# Altium PCB PROC010B_ASCII.PcbDoc (part 2 of 6)
Units mil, origin at the board's own origin, x right, y up, seen from the top; angles counter-clockwise.
Board outline 3180 x 2565 mil, 6 copper layers (TOP, L2, L3, L4, L5, BOTTOM), stack 55.54 mil thick; 362 components, 264 nets, 1248 pads, 1144 vias.
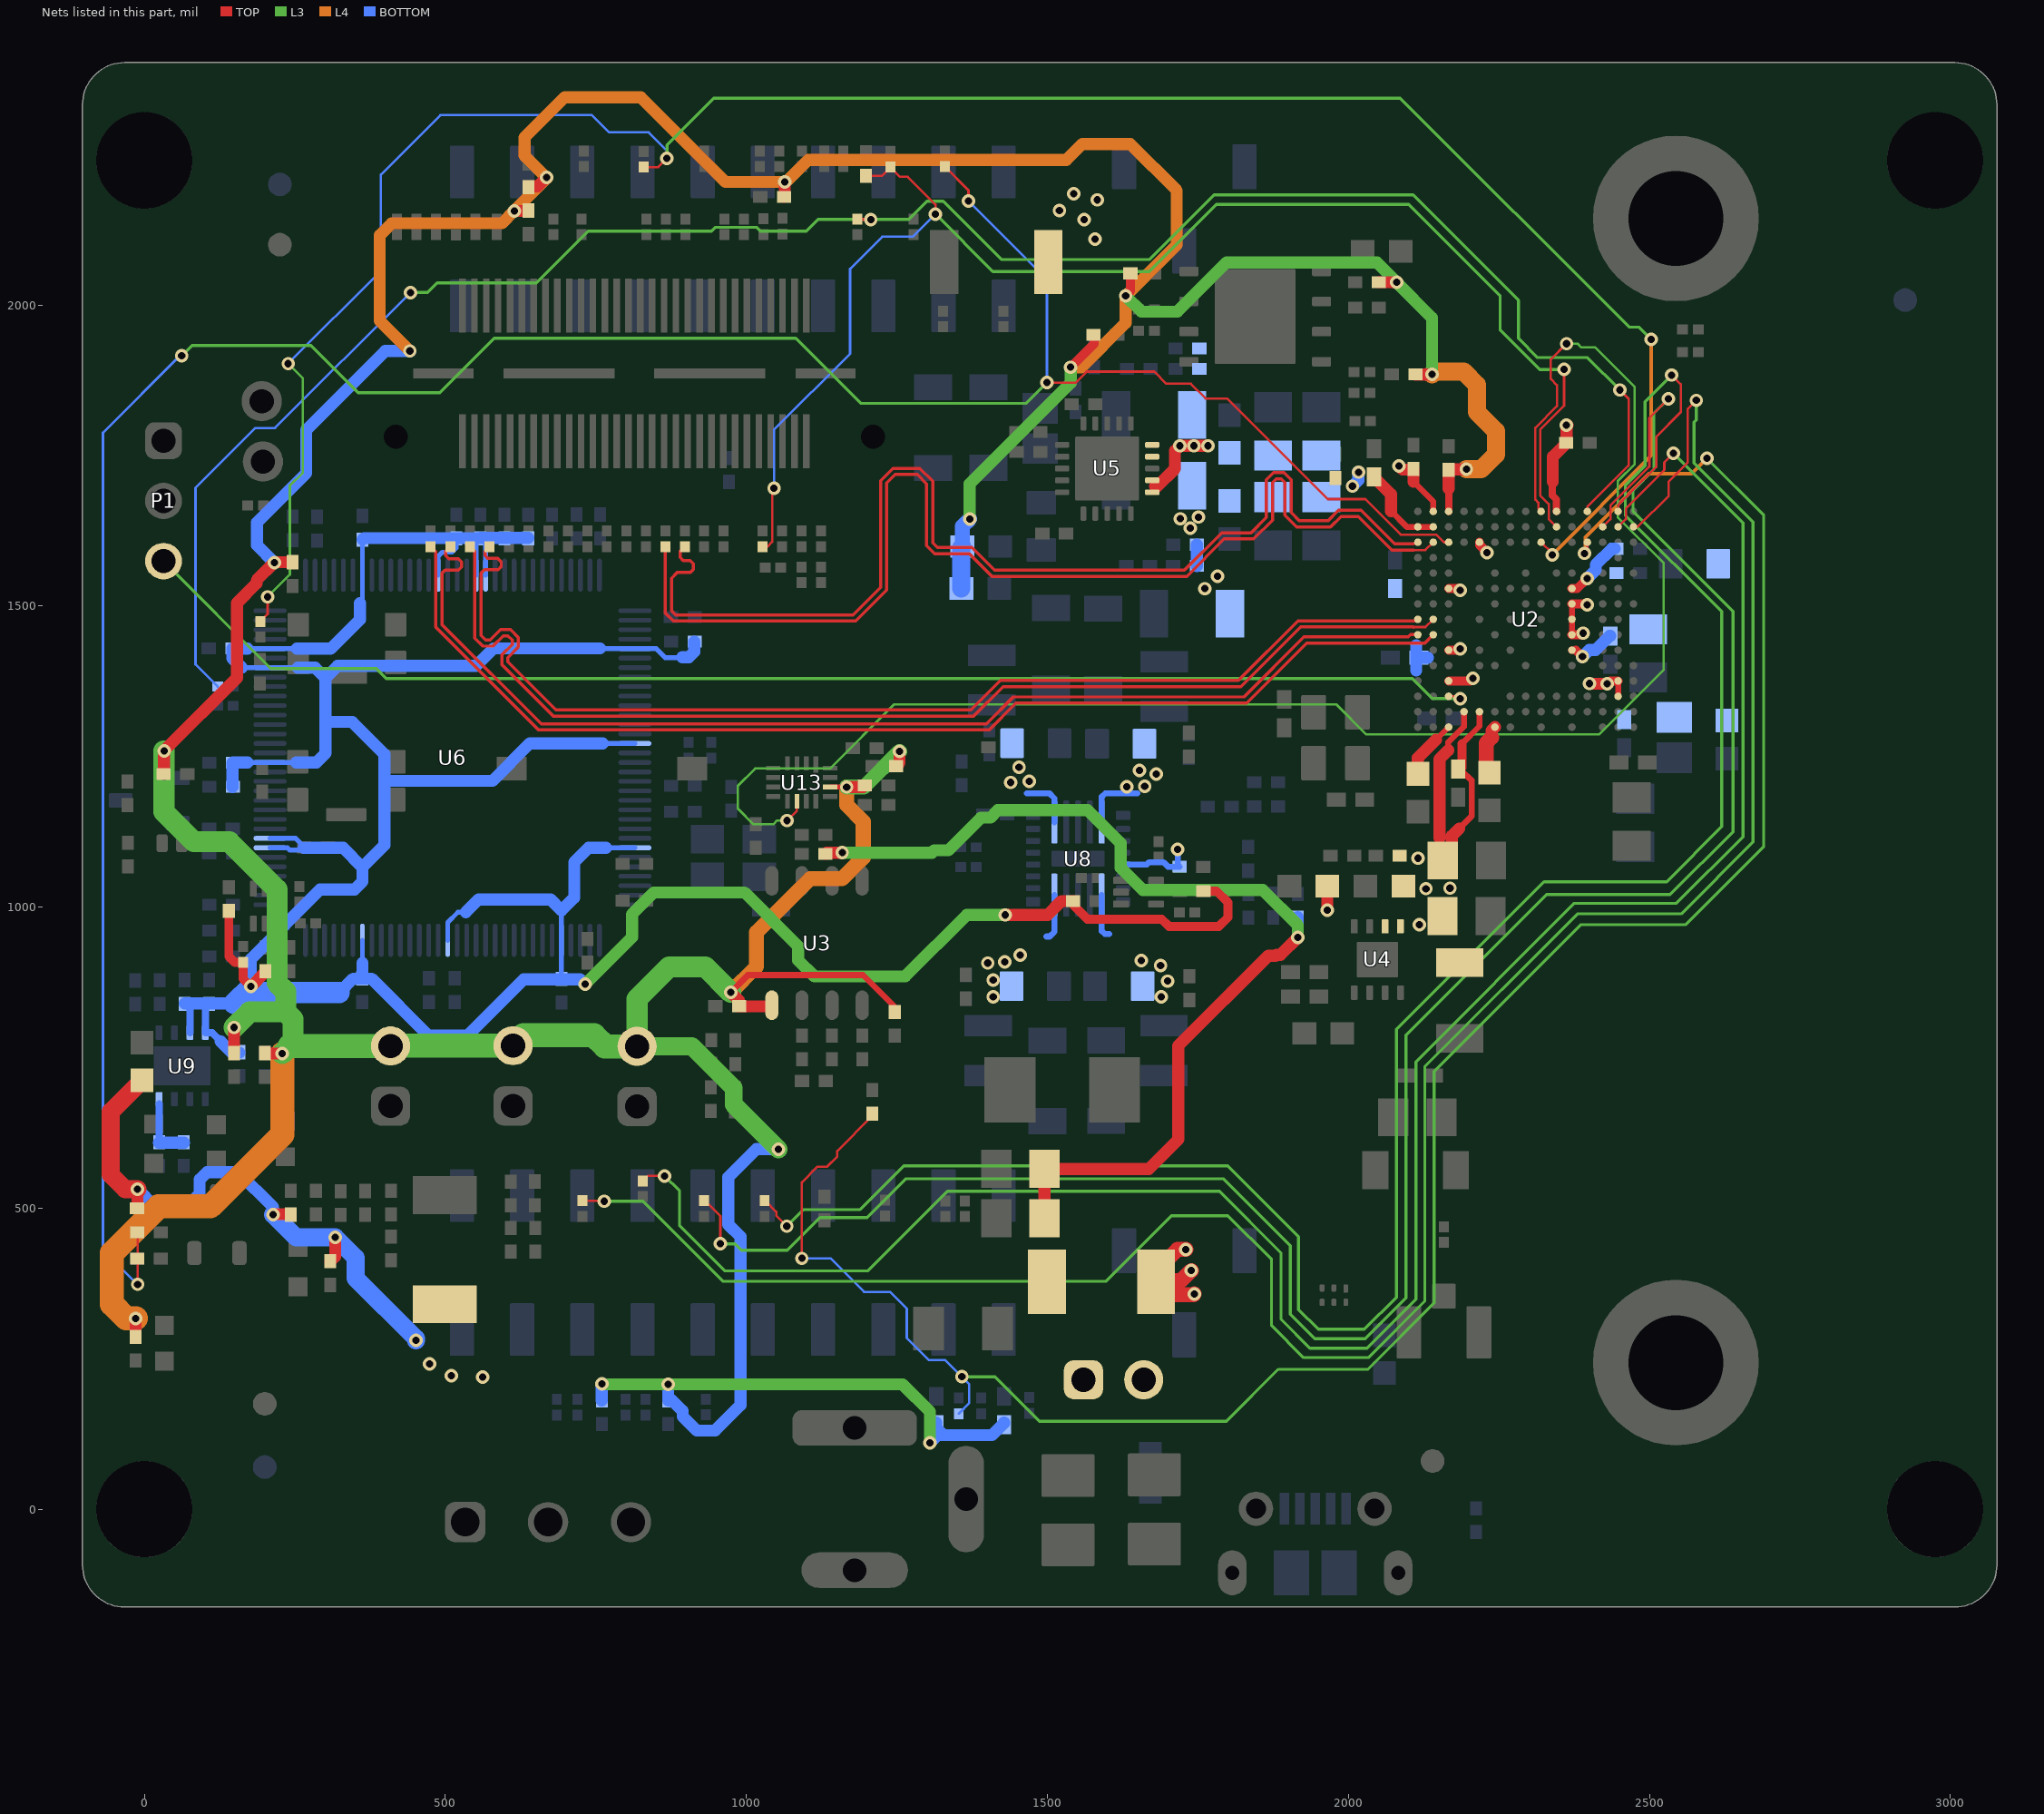
[diagram p6: the nets of this part, all layers, seen from the top]

## Footprints (in the part's own frame and the unit in brackets; to place one, negate y for a bottom-side part, rotate by r counter-clockwise, add the part's x,y. Pads: shape width x height; smd on the part's side, far side on the other; paste and mask are expansions set on the pad) (continued)
ABL0161A [mm] "BGA, 161-Balls, Body 10.4x10.4mm, Pitch 0.65mm"
  round 0.32 smd mask+0: A1(-4.55,4.55) A2(-3.9,4.55) A3(-3.25,4.55) A5(-1.95,4.55) A7(-0.65,4.55) A9(0.65,4.55) A10(1.3,4.55) A13(3.25,4.55) A14(3.9,4.55) A15(4.55,4.55) B1(-4.55,3.9) B2(-3.9,3.9) B3(-3.25,3.9) B4(-2.6,3.9) B5(-1.95,3.9) B6(-1.3,3.9) B7(-0.65,3.9) B8(0,3.9) B9(0.65,3.9) B10(1.3,3.9) B11(1.95,3.9) B12(2.6,3.9) B13(3.25,3.9) B14(3.9,3.9) B15(4.55,3.9) C1(-4.55,3.25) C2(-3.9,3.25) C3(-3.25,3.25) C4(-2.6,3.25) C5(-1.95,3.25) C6(-1.3,3.25) C7(-0.65,3.25) C8(0,3.25) C9(0.65,3.25) C13(3.25,3.25) C14(3.9,3.25) C15(4.55,3.25) D1(-4.55,2.6) D2(-3.9,2.6) D13(3.25,2.6) D15(4.55,2.6) E1(-4.55,1.95) E2(-3.9,1.95) E3(-3.25,1.95) E5(-1.95,1.95) E6(-1.3,1.95) E8(0,1.95) E10(1.3,1.95) E11(1.95,1.95) E13(3.25,1.95) E14(3.9,1.95) E15(4.55,1.95) F2(-3.9,1.3) F3(-3.25,1.3) F5(-1.95,1.3) F9(0.65,1.3) F11(1.95,1.3) F13(3.25,1.3) F14(3.9,1.3) G1(-4.55,0.65) G2(-3.9,0.65) G3(-3.25,0.65) G5(-1.95,0.65) G6(-1.3,0.65) G7(-0.65,0.65) G8(0,0.65) G10(1.3,0.65) G13(3.25,0.65) G14(3.9,0.65) G15(4.55,0.65) H2(-3.9,0) H3(-3.25,0) H5(-1.95,0) H7(-0.65,0) H9(0.65,0) H11(1.95,0) H13(3.25,0) H14(3.9,0) H15(4.55,0) J1(-4.55,-0.65) J2(-3.9,-0.65) J3(-3.25,-0.65) J5(-1.95,-0.65) J6(-1.3,-0.65) J7(-0.65,-0.65) J8(0,-0.65) J10(1.3,-0.65) J13(3.25,-0.65) J14(3.9,-0.65) J15(4.55,-0.65) K2(-3.9,-1.3) K3(-3.25,-1.3) K5(-1.95,-1.3) K7(-0.65,-1.3) K8(0,-1.3) K9(0.65,-1.3) K10(1.3,-1.3) K11(1.95,-1.3) K13(3.25,-1.3) K14(3.9,-1.3) K15(4.55,-1.3) L1(-4.55,-1.95) L2(-3.9,-1.95) L3(-3.25,-1.95) L5(-1.95,-1.95) L6(-1.3,-1.95) L8(0,-1.95) L10(1.3,-1.95) L13(3.25,-1.95) L14(3.9,-1.95) L15(4.55,-1.95) M2(-3.9,-2.6) M3(-3.25,-2.6) M13(3.25,-2.6) M14(3.9,-2.6) M15(4.55,-2.6) N1(-4.55,-3.25) N2(-3.9,-3.25) N3(-3.25,-3.25) N4(-2.6,-3.25) N5(-1.95,-3.25) N6(-1.3,-3.25) N7(-0.65,-3.25) N8(0,-3.25) N9(0.65,-3.25) N10(1.3,-3.25) N11(1.95,-3.25) N12(2.6,-3.25) N13(3.25,-3.25) N14(3.9,-3.25) N15(4.55,-3.25) P1(-4.55,-3.9) P2(-3.9,-3.9) P3(-3.25,-3.9) P4(-2.6,-3.9) P5(-1.95,-3.9) P6(-1.3,-3.9) P7(-0.65,-3.9) P8(0,-3.9) P9(0.65,-3.9) P10(1.3,-3.9) P11(1.95,-3.9) P12(2.6,-3.9) P13(3.25,-3.9) P14(3.9,-3.9) P15(4.55,-3.9) R1(-4.55,-4.55) R2(-3.9,-4.55) R3(-3.25,-4.55) R4(-2.6,-4.55) R5(-1.95,-4.55) R6(-1.3,-4.55) R7(-0.65,-4.55) R8(0,-4.55) R9(0.65,-4.55) R10(1.3,-4.55) R11(1.95,-4.55) R12(2.6,-4.55) R13(3.25,-4.55) R14(3.9,-4.55) R15(4.55,-4.55)
  silkscreen extent -5.3,-5.3 5.3,5.3
AssemblyNote [mil] "Assembly Note"
AssemblyNoteLabel [mil] "Assembly Note for PCB Labels"
CE_Mark_5mm [mil] "Minimum text height for CE Mark"
CONN_105017-0001 [mm] "Molex Micro USB-B"
  rect 0.4x1.35 smd: 1(-1.3,1.35) 2(-0.65,1.35) 3(0,1.35) 4(0.65,1.35) 5(1.3,1.35)
  oval 1.2x1.9 hole 0.6 slot 1.3 at 90 deg: 6(-3.5,-1.35) 9(3.5,-1.35)
  rect 1.5x1.9 smd: 7(-1,-1.35) 8(1,-1.35)
  round 1.45 hole 0.85: 10(2.5,1.35) 11(-2.5,1.35)
  TOP region: 3.5,-2.3 2.3,-2.3 2.3,-0.4 3.5,-0.4
  TOP region: -3.5,-0.4 -2.3,-0.4 -2.3,-2.3 -3.5,-2.3
  silkscreen extent -4.1,-0.2 4.1,1.4
CUI_PJ-002AH [mm] "DC POWER JACK, R/A, TH"
  rrect50% 1.5x5.25 hole 1 slot 3.5 at 90 deg: 1(-3,0)
  oval 1.5x4.5 hole 1 slot 3 at 90 deg: 2(3,0)
  oval 4.5x1.5 hole 1 slot 3 at 0 deg: 3(0,4.7)
  silkscreen extent -4.1,-4.5 10.7,4.5
D0008A_L [mm] "SOIC, 8-Leads, Body 4.9x3.9mm, Pitch 1.27mm, IPC High Density"
  oval 1.25x0.55 smd: 1(-2.625,1.905) 2(-2.625,0.635) 3(-2.625,-0.635) 4(-2.625,-1.905) 5(2.625,-1.905) 6(2.625,-0.635) 7(2.625,0.635) 8(2.625,1.905)
  silkscreen extent -3.1,-2.5 0.9,2.5
DBZ0003A_N [mm] "SOT23, 3-Leads, Body 2.9x1.3mm, Pitch 0.95mm, Lead Span 2.4mm, IPC Medium Density"
  rrect17% 1x0.6 smd: 1(-1.2,0.95) 2(-1.2,-0.95) 3(1.2,0)
  silkscreen extent 0.2,-1.5 0.7,1.5
DFE252012P [mm] "TOKO, Pad sizes increased as per request"
  rect 0.9x2 smd: 1(-1.05,0) 2(1.05,0)
  silkscreen extent -0.3,-1.2 0.3,1.2
DRB0008A [mm] "SON, 8-Leads, Body 3x3mm, Pitch 0.65mm, Thermal Pad 1.75x1.5mm, TI Recommended"
  rrect33% 0.6x0.3 smd: 1(-1.4,0.975) 2(-1.4,0.325) 3(-1.4,-0.325) 4(-1.4,-0.975) 5(1.4,-0.975) 6(1.4,-0.325) 7(1.4,0.325) 8(1.4,0.975)
  rrect7% 1.5x1.75 smd paste-0.75: 9(0,0)
  silkscreen extent -1.73,-1.73 1.73,1.73
DRB0008B [mm] "SON, 8-Leads, Body 3x3mm, Pitch 0.65mm, Thermal Pad 2.4x1.65mm, TI Recommended"
  rrect33% 0.6x0.3 smd: 1(-1.4,0.975) 2(-1.4,0.325) 3(-1.4,-0.325) 4(-1.4,-0.975) 5(1.4,-0.975) 6(1.4,-0.325) 7(1.4,0.325) 8(1.4,0.975)
  rrect9% 1.47x1.06 on Bottom Paste: 9(0,-0.63) 9(0,0.63)
  rrect6% 1.65x2.4 smd paste-1.2: 9(0,0)
  silkscreen extent -1.73,-1.73 1.73,1.73
DRL0006A [mm] "SOTFL, 6-Flat Leads, Body 1.2x1.6x0.6mm, Pitch 0.5mm, TI recommended"
  rrect33% 0.67x0.3 smd: 1(-0.74,0.5) 2(-0.74,0) 3(-0.74,-0.5) 4(0.74,-0.5) 5(0.74,0) 6(0.74,0.5)
  silkscreen extent -0.9,-0.95 0.5,0.95
DRY0006A [mm] "PSON, 6-Leads, Body 1x1.45mm, Pitch 0.5mm, TI Recommended"
  rrect50% 0.35x0.2 smd: 1(-0.275,0.5)
  rrect50% 0.3x0.2 smd: 2(-0.3,0) 3(-0.3,-0.5) 4(0.3,-0.5) 5(0.3,0) 6(0.3,0.5)
ESD_Overlay_Small [mil]
  silkscreen extent -62,-48 64,61
FCC_disclaimer [mil]
Fiducial10-20 [mm]
  round 1 smd mask+0: 1(0,0)
  TOP keep-out circle w1.178: c0,0 r0.5
IEC_HotSurface_Small [mil]
  silkscreen extent -107,-93 107,92
Johnson_128-0711-201 [mm] "UMC Straight Jack Receptacle, 50 Ohm, SMT"
  rrect10% 1x1.05 smd: 1(0,1.525)
  rrect10% 1.05x2.2 smd: 2(-1.475,0) 3(1.475,0)
  silkscreen extent -0.6,-1.3 0.6,-1.3
Kyocera_CX3225SA [mm] "SMD, 4-Leads, Body 3.2x2.5mm"
  rrect10% 1.05x1.45 smd: 1(-0.925,1.075) 2(-0.925,-1.075) 3(0.925,-1.075) 4(0.925,1.075)
  silkscreen extent -1.86,1.09 -1.74,1.21
Label_650x200 [mil] "Thermal Transfer Label"
  round 1 on Mech13: 0(0,0)
  silkscreen extent -325,-100 325,100
NDK_NX3225SA [mm] "NDK"
  rect 1.2x1.4 smd: 1(-0.8,1.1) 2(-0.8,-1.1) 3(0.8,-1.1) 4(0.8,1.1)
NLCV32 [mm] "TDK"
  rect 1.2x2 smd: 1(-1.6,0) 2(1.6,0)
  silkscreen extent -0.9,-1.4 0.9,1.4
On-Shore_OSTTE030161 [mm] "Terminal Block, 3.5mm, 3x1, TH"
  rrect50% 1.7x1.7 hole 1.2: 1(-3.5,0)
  round 1.7 hole 1.2: 2(0,0) 3(3.5,0)
  silkscreen extent -5.25,-3.6 5.25,4.05
PDT0128A [mm] "Thin QFP, 128-Leads, Body 14x14mm, Pitch 0.4mm"
  oval 1.4x0.2 smd: 1(-7.7,6.2) 2(-7.7,5.8) 3(-7.7,5.4) 4(-7.7,5) 5(-7.7,4.6) 6(-7.7,4.2) 7(-7.7,3.8) 8(-7.7,3.4) 9(-7.7,3) 10(-7.7,2.6) 11(-7.7,2.2) 12(-7.7,1.8) 13(-7.7,1.4) 14(-7.7,1) 15(-7.7,0.6) 16(-7.7,0.2) 17(-7.7,-0.2) 18(-7.7,-0.6) 19(-7.7,-1) 20(-7.7,-1.4) 21(-7.7,-1.8) 22(-7.7,-2.2) 23(-7.7,-2.6) 24(-7.7,-3) 25(-7.7,-3.4) 26(-7.7,-3.8) 27(-7.7,-4.2) 28(-7.7,-4.6) 29(-7.7,-5) 30(-7.7,-5.4) 31(-7.7,-5.8) 32(-7.7,-6.2) 65(7.7,-6.2) 66(7.7,-5.8) 67(7.7,-5.4) 68(7.7,-5) 69(7.7,-4.6) 70(7.7,-4.2) 71(7.7,-3.8) 72(7.7,-3.4) 73(7.7,-3) 74(7.7,-2.6) 75(7.7,-2.2) 76(7.7,-1.8) 77(7.7,-1.4) 78(7.7,-1) 79(7.7,-0.6) 80(7.7,-0.2) 81(7.7,0.2) 82(7.7,0.6) 83(7.7,1) 84(7.7,1.4) 85(7.7,1.8) 86(7.7,2.2) 87(7.7,2.6) 88(7.7,3) 89(7.7,3.4) 90(7.7,3.8) 91(7.7,4.2) 92(7.7,4.6) 93(7.7,5) 94(7.7,5.4) 95(7.7,5.8) 96(7.7,6.2)
  oval 0.2x1.4 smd: 33(-6.2,-7.7) 34(-5.8,-7.7) 35(-5.4,-7.7) 36(-5,-7.7) 37(-4.6,-7.7) 38(-4.2,-7.7) 39(-3.8,-7.7) 40(-3.4,-7.7) 41(-3,-7.7) 42(-2.6,-7.7) 43(-2.2,-7.7) 44(-1.8,-7.7) 45(-1.4,-7.7) 46(-1,-7.7) 47(-0.6,-7.7) 48(-0.2,-7.7) 49(0.2,-7.7) 50(0.6,-7.7) 51(1,-7.7) 52(1.4,-7.7) 53(1.8,-7.7) 54(2.2,-7.7) 55(2.6,-7.7) 56(3,-7.7) 57(3.4,-7.7) 58(3.8,-7.7) 59(4.2,-7.7) 60(4.6,-7.7) 61(5,-7.7) 62(5.4,-7.7) 63(5.8,-7.7) 64(6.2,-7.7) 97(6.2,7.7) 98(5.8,7.7) 99(5.4,7.7) 100(5,7.7) 101(4.6,7.7) 102(4.2,7.7) 103(3.8,7.7) 104(3.4,7.7) 105(3,7.7) 106(2.6,7.7) 107(2.2,7.7) 108(1.8,7.7) 109(1.4,7.7) 110(1,7.7) 111(0.6,7.7) 112(0.2,7.7) 113(-0.2,7.7) 114(-0.6,7.7) 115(-1,7.7) 116(-1.4,7.7) 117(-1.8,7.7) 118(-2.2,7.7) 119(-2.6,7.7) 120(-3,7.7) 121(-3.4,7.7) 122(-3.8,7.7) 123(-4.2,7.7) 124(-4.6,7.7) 125(-5,7.7) 126(-5.4,7.7) 127(-5.8,7.7) 128(-6.2,7.7)
  silkscreen extent -7.7,-6.3 6.3,6.99
RNF0026C [mm] "QFN, 26-Leads, Body 4x4.5mm, Pitch 0.5mm"
  rrect25% 0.6x0.4 smd paste-0.3: 1(-1.9,1.825) 8(-1.9,-1.825) 14(1.9,-1.825) 21(1.9,1.825)
  rrect40% 0.6x0.25 smd paste+0: 2(-1.9,1.25) 3(-1.9,0.75) 4(-1.9,0.25) 5(-1.9,-0.25) 6(-1.9,-0.75) 7(-1.9,-1.25) 15(1.9,-1.25) 16(1.9,-0.75) 17(1.9,-0.25) 18(1.9,0.25) 19(1.9,0.75) 20(1.9,1.25)
  rrect40% 0.25x1.82 smd paste-1: 9(-1,-1.54) 10(-0.5,-1.54) 11(0,-1.54) 12(0.5,-1.54) 13(1,-1.54) 22(1,1.54) 23(0.5,1.54) 24(0,1.54) 25(-0.5,1.54) 26(-1,1.54)
  rrect15% 2.24x0.66 smd paste-1: 27(0,0)
  rrect33% 0.6x0.3 on Bottom Paste: ""(-1.9,-1.775) ""(-1.9,1.775) ""(1.9,-1.775) ""(1.9,1.775)
  rrect33% 0.3x0.825 on Bottom Paste: ""(-1.575,-2.037) ""(-1.575,2.037) ""(1.575,-2.037) ""(1.575,2.037)
  rrect40% 0.25x0.81 on Bottom Paste: ""(-1,-2.045) ""(-1,-1.035) ""(-1,1.035) ""(-1,2.045) ""(-0.5,-2.045) ""(-0.5,-1.035) ""(-0.5,1.035) ""(-0.5,2.045) ""(0,-2.045) ""(0,-1.035) ""(0,1.035) ""(0,2.045) ""(0.5,-2.045) ""(0.5,-1.035) ""(0.5,1.035) ""(0.5,2.045) ""(1,-2.045) ""(1,-1.035) ""(1,1.035) ""(1,2.045)
  rrect15% 0.98x0.66 on Bottom Paste: ""(-0.59,0) ""(0.59,0)
  silkscreen extent -2.45,-2.7 2.45,2.7
RSV0016A [mm] "QFN, 16-Leads, Body 1.8x2.6mm, Pitch 0.4mm, TI Recommended"
  rect 0.7x0.2 smd: 1(-0.75,0.6)
  rect 0.6x0.2 smd: 2(-0.8,0.2) 3(-0.8,-0.2) 4(-0.8,-0.6) 9(0.8,-0.6) 10(0.8,-0.2) 11(0.8,0.2) 12(0.8,0.6)
  rect 0.2x0.6 smd: 5(-0.6,-1.2) 6(-0.2,-1.2) 7(0.2,-1.2) 8(0.6,-1.2) 13(0.6,1.2) 14(0.2,1.2) 15(-0.2,1.2) 16(-0.6,1.2)
  silkscreen extent -1.08,-1.33 1.08,1.45
RTJ0020D [mm] "QFN, 20-Leads, Body 4x4mm, Pitch 0.5mm, Thermal Pad 2.7x2.7mm, TI Recommended"
  rrect42% 0.6x0.24 smd: 1(-1.9,1) 2(-1.9,0.5) 3(-1.9,0) 4(-1.9,-0.5) 5(-1.9,-1) 11(1.9,-1) 12(1.9,-0.5) 13(1.9,0) 14(1.9,0.5) 15(1.9,1)
  rrect42% 0.24x0.6 smd: 6(-1,-1.9) 7(-0.5,-1.9) 8(0,-1.9) 9(0.5,-1.9) 10(1,-1.9) 16(1,1.9) 17(0.5,1.9) 18(0,1.9) 19(-0.5,1.9) 20(-1,1.9)
  rrect8% 1.19x1.19 on Top Paste: 21(-0.695,-0.695) 21(-0.695,0.695) 21(0.695,-0.695) 21(0.695,0.695)
  rrect4% 2.7x2.7 smd paste-1.4: 21(0,0)
  silkscreen extent -2.22,-2.22 2.23,2.23
Samtec_QSH-030-01-X-D-A [mm] "Receptacle, 0.5 mm, 30x2, TH"
  rect 2.27x0.279 smd: 1(-2.865,7.25) 2(2.865,7.25) 3(-2.865,6.75) 4(2.865,6.75) 5(-2.865,6.25) 6(2.865,6.25) 7(-2.865,5.75) 8(2.865,5.75) 9(-2.865,5.25) 10(2.865,5.25) 11(-2.865,4.75) 12(2.865,4.75) 13(-2.865,4.25) 14(2.865,4.25) 15(-2.865,3.75) 16(2.865,3.75) 17(-2.865,3.25) 18(2.865,3.25) 19(-2.865,2.75) 20(2.865,2.75) 21(-2.865,2.25) 22(2.865,2.25) 23(-2.865,1.75) 24(2.865,1.75) 25(-2.865,1.25) 26(2.865,1.25) 27(-2.865,0.75) 28(2.865,0.75) 29(-2.865,0.25) 30(2.865,0.25) 31(-2.865,-0.25) 32(2.865,-0.25) 33(-2.865,-0.75) 34(2.865,-0.75) 35(-2.865,-1.25) 36(2.865,-1.25) 37(-2.865,-1.75) 38(2.865,-1.75) 39(-2.865,-2.25) 40(2.865,-2.25) 41(-2.865,-2.75) 42(2.865,-2.75) 43(-2.865,-3.25) 44(2.865,-3.25) 45(-2.865,-3.75) 46(2.865,-3.75) 47(-2.865,-4.25) 48(2.865,-4.25) 49(-2.865,-4.75) 50(2.865,-4.75) 51(-2.865,-5.25) 52(2.865,-5.25) 53(-2.865,-5.75) 54(2.865,-5.75) 55(-2.865,-6.25) 56(2.865,-6.25) 57(-2.865,-6.75) 58(2.865,-6.75) 59(-2.865,-7.25) 60(2.865,-7.25)
  round 0 hole 1.02 unplated mask+0: MH1(2.67,10.065) MH2(2.67,-10.065)
  rect 0.43x2.54 smd: MP1(0,8.065) MP4(0,-8.065)
  rect 0.43x4.7 smd: MP2(0,3.175) MP3(0,-3.175)
  silkscreen extent -3.9,-10.66 3.62,10.66
Samtec_SSM-103-x-SV [mm] "Receptacle, 2.54mm, 3x1, SMT"
  rrect10% 1.02x1.905 smd: 1(-2.54,-1.777) 2(0,1.777) 3(2.54,-1.777)
  silkscreen extent -3.81,-2.27 3.81,1.28
Samtec_SSM-110-x-DV [mm] "Receptacle, 2.54mm, 10x2, SMT"
  rrect10% 1.02x2.22 smd: 1(-11.43,2.825) 2(-11.43,-2.825) 3(-8.89,2.825) 4(-8.89,-2.825) 5(-6.35,2.825) 6(-6.35,-2.825) 7(-3.81,2.825) 8(-3.81,-2.825) 9(-1.27,2.825) 10(-1.27,-2.825) 11(1.27,2.825) 12(1.27,-2.825) 13(3.81,2.825) 14(3.81,-2.825) 15(6.35,2.825) 16(6.35,-2.825) 17(8.89,2.825) 18(8.89,-2.825) 19(11.43,2.825) 20(11.43,-2.825)
  silkscreen extent -13.02,-2.54 12.7,2.54
Samtec_TSW-101-17-T-S [mm] "Samtec,CONN HEADER 1POS .100\" SNGL TIN"
  round 1.7 hole 1.02: 1(0,0)
  silkscreen extent -1.27,-1.27 1.27,1.27
Samtec_TSW-103-07-T-S [mm] "Header, 2.54 mm, 3x1, TH"
  rrect50% 1.55x1.55 hole 1.02: 1(-2.54,0)
  round 1.55 hole 1.02: 2(0,0) 3(2.54,0)
SMB [mil] "Molded Diode, 2-Leads, Body 5.4x3.6mm, IPC Medium Density, based on OnSemi component dimensions"
  rect 85x107.99 smd: 1(-87.01,0) 2(87.01,0)
  silkscreen extent -155,-82 125,82
SML-E1_Yellow [mm] "SMD, 2-Leads, Body 1.6x0.8mm"
  rect 0.8x0.8 smd: 1(0.825,0) 2(-0.825,0)
  silkscreen extent -1.8,-0.8 1.3,0.8
SML-LX0603SRW_SuperRed [mm] "Lumex Opto/Components Inc"
  rect 0.8x0.8 smd: 1(-0.75,0) 2(0.75,0)
  silkscreen extent 1.4,-0.53 1.78,0.53
SOD-882 [mm] "Skyworks"
  rrect42% 0.475x0.75 smd: 1(-0.412,0) 2(0.412,0)
  silkscreen extent -1.1,-0.35 -0.87,0.35
SOT-23 [mm] "SOT23, 3-Leads, Body 2.9x1.3mm, Pitch 0.95mm, Lead Span 2.5mm, IPC Medium Density"
  rrect50% 1x0.6 smd: 1(-1.2,0.95) 2(-1.2,-0.95) 3(1.2,0)
  silkscreen extent -1.62,-1.5 0.7,1.5
SW_CHS-01TB [mm] "CHS Recommended footprint"
  rect 1x1.27 smd: 1(0,3.81) 2(0,-3.81)
  silkscreen extent -1.3,-4.05 1.3,4.05
SW_KMR243GLFG [mm] "SMD, 5-Leads, Body 4.2x2.8mm"
  rrect11% 0.9x1 smd: 1(-2.05,0.8) 2(2.05,0.8) 3(-2.05,-0.8) 4(2.05,-0.8)
  rrect18% 1.7x0.55 smd: 5(0,1.425)
  silkscreen extent -3.1,0.7 -2.9,0.9
TI_Stacked_Overlay_Small [mil]
TSW-102-07-G-S [mm] "Samtec 100mil, 1x2, 230 mil above insulator"
  rrect50% 1.65x1.65 hole 1.016: 1(-1.27,0)
  round 1.65 hole 1.016: 2(1.27,0)
WEEE_Minimum [mil] "WEEElie bin"
  silkscreen extent 22,-71 54,74
WSON-8L_6x5MM_EP [mm] "SMD, 8-Leads, Body 6x5mm, Pitch 1.27mm"
  rrect25% 0.8x0.4 smd: 1(-2.8,1.905) 2(-2.8,0.635) 3(-2.8,-0.635) 4(-2.8,-1.905) 5(2.8,-1.905) 6(2.8,-0.635) 7(2.8,0.635) 8(2.8,1.905)
  rrect3% 3.4x4 smd paste-3: 9(0,0)
  rrect7% 1.468x1.698 on Top Paste: ""(-0.834,-0.949) ""(-0.834,0.949) ""(0.834,-0.949) ""(0.834,0.949)
  silkscreen extent -3.2,-2.7 3.2,2.7

## Part data
C1 C13 C14 C33 C36 C91: library part CMP-0007136-5, "CAP, CERM, 1 uF, 16 V, +/- 10%, X7R, AEC-Q200 Grade 1, 0603"
C2 C21: library part CMP-0006325-2, "CAP, CERM, 0.1 uF, 50 V, +/- 10%, X7R, AEC-Q200 Grade 1, 0402"
C3 C5 C7 C10 C12 C39 C47 C48 C51 C53 C56 C57 C68: library part CMP-0078265-1, "CAP, CERM, 0.22 µF, 16 V,+/- 10%, X7R, AEC-Q200 Grade 1, 0402"
C4 C6 C11: library part CMP-0006351-2, "CAP, CERM, 0.1 uF, 16 V, +/- 10%, X7R, 0402"
C8: library part CMP-0078219-1, "CAP, CERM, 0.1 µF, 10 V,+/- 10%, X7S, 0201"
C9 C15: library part CMP-0006367-2, "CAP, CERM, 4.7 pF, 50 V, +/- 2%, C0G/NP0, 0402"
C16 C20 C42 C43 C49 C64 C67 C71 C75 C76 C79 C84 C85 C90: library part CMP-0078241-1, "CAP, CERM, 0.1 µF, 10 V,+/- 10%, X7R, 0402"
C17 C19 C23 C32 C34 C35 C37 C38 C40 C45 C52 C58 C59 C60 C65 C72 C73 C83: library part CMP-0008017-2, "CAP, CERM, 10 uF, 10 V, +/- 10%, X7R, 0805"
C18 C22: library part CMP-0007138-4, "CAP, CERM, 0.47 uF, 16 V, +/- 10%, X7R, AEC-Q200 Grade 1, 0603"
C24: library part CMP-0078221-1, "CAP, CERM, 4700 pF, 50 V,+/- 10%, X7R, 0402"
C25 C30 C31: library part CMP-0008770-2, "CAP, CERM, 22 uF, 6.3 V, +/- 10%, X7R, AEC-Q200 Grade 1, 1206"
C26 C27: library part CMP-0078216-1, "CAP, TA, 47 µF, 10 V, +/- 10%, SMD"
C28 C29 C44 C46: library part CMP-0078224-1, "CAP, CERM, 0.01 µF, 50 V,+/- 10%, X8R, AEC-Q200 Grade 0, 0402"
C41 C61 C62: library part CMP-0078222-1, "CAP, CERM, 1 µF, 6.3 V,+/- 20%, X7S, 0402"
C50: library part CMP-0078220-1, "CAP, CERM, 0.01 µF, 25 V,+/- 10%, X7R, 0402"
C54 C55 C81 C82: library part CMP-0008811-2, "CAP, CERM, 22 uF, 10 V, +/- 10%, X7R, AEC-Q200 Grade 1, 1206"
C63 C70: library part CMP-0006494-2, "CAP, CERM, 8 pF, 50 V, +/- 6%, C0G/NP0, 0402"
C66 C69: library part CMP-0078218-1, "CAP, CERM, 0.01 µF, 16 V,+/- 10%, X7R, 0402"
C74 C77 C80: library part CMP-0006302-2, "CAP, CERM, 2.2 uF, 10 V, +/- 10%, X7S, 0402"
C78: library part CMP-0078217-1, "CAP, CERM, 15 pF, 50 V,+/- 1%, C0G/NP0, 0402"
C86 C87 C88 C89: library part CMP-0078223-1, "CAP, CERM, 390 pF, 50 V,+/- 5%, C0G/NP0, AEC-Q200 Grade 0, 0402"
"CAUTION HOT SURFACE1": library part CMP-0074837-1, "IEC 61010-1 Hot Surface Warning"
D2: library part CMP-0078187-1, "Diode, Schottky,  V, 0.01 A, SOD-882"
D3: library part CMP-0078243-1, "Diode, TVS, Uni, 5.8 V, 10.5 Vc, AEC-Q101, SMB"
DS1 DS2 DS5: library part CMP-0002876-1, "LED, Super Red, SMD"
DS3 DS4: library part CMP-0002977-2, "LED, Yellow, SMD"
"ESD Susceptible1": library part CMP-0074840-1, "ESD Susceptible Symbol"
F1: library part CMP-0003458-2, "Fuse, 5 A, 32VAC/VDC, SMD"
FB1 FB2: library part CMP-0003364-1, "Ferrite Bead, 30 ohm @ 100 MHz, 4 A, 0805"
FID1 FID2 FID3 FID4 FID5 FID6 FID7: library part CMP-0077181-1, "Fiducial mark.  There is nothing to buy or mount."
J1: library part CMP-0075524-1, "Receptacle, 0.5 mm, 30x2, Gold, TH"
J2: library part CMP-0055788-1, "UMC Straight Jack Receptacle, 50 Ohm, Gold, SMT"
J3: library part CMP-0075352-1, "Terminal Block, 3.5mm, 3x1, Tin, R/A, TH"
J4 J7: library part CMP-0078183-1, "Receptacle, 2.54mm, 3x1, Gold with Tin tail, SMT"
J5 J6: library part CMP-0078182-1, "Receptacle, 2.54mm, 10x2, Gold with Tin tail, SMT"
J8: library part CMP-0055293-1, "Connector, Receptacle, Micro-USB Type B, R/A, Bottom Mount SMT"
L1 L2 L3 L4: library part CMP-0058946-1, "Inductor, Shielded, 470 nH, 4.7 A, 0.021 ohm, SMD"
L5 L7 L8 L9: library part CMP-0083745-1, "Inductor, Wirewound, Ferrite, 100 nH, 2.85 A, 0.024 ohm, AEC-Q200 Grade 1, SMD"
LBL1: library part CMP-0003625-1, "Thermal Transfer Printable Labels, 0.650\" W x 0.200\" H - 10,000 per roll"
Logo1: library part CMP-0074838-1, "Texas Instrument Corporate Signature"
Logo2: library part CMP-0074847-1, "FCC_disclaimer"
Logo3: library part CMP-0074769-1
LOGO4: library part CMP-0074844-1
P1: library part CMP-0075530-2, "Header, 2.54 mm, 3x1, Tin, TH"
P2 P3 P4 P5: library part CMP-0075405-2, "Header, 100mil, 2x1, Gold, TH"
P6: library part CMP-0078270-1, "DC POWER JACK, R/A, TH"
Q1 Q2: library part CMP-0000947-2, "MOSFET, N-CH, 100 V, 0.17 A, SOT-23"
R1 R2 R3 R4 R5 R6 R7 R8 R9 R10 R17 R18 R19 R20 R21 R22 R23 R24 R25 R26 R27 R28 R29 R30 R31 R32 R33 R35 R36 R48 R49 R50 R51 R52 R53 R54 R55 R56 R57 R58 R59 R60 R61 R62 R63 R64 R65 R66 R67 R69 R70 R71 R72 R75 R76 R94 R102 R104 R105 R106 R108 R109 R111 R135 R136 R144 R146 R162 R163 R164 R165 R166 R167 R168 R169 R180 R181 R182 R185 R186 R188 R197 R198: library part CMP-0027008-4, "RES, 0, 5%, 0.05 W, 0201"
R11 R12 R37 R78 R97 R107 R119 R120 R128 R129 R141 R152 R159 R177 R183 R187: library part CMP-0026992-2, "RES, 0, 5%, 0.063 W, 0402"
R13 R14 R15 R16 R41 R43 R46 R47 R73 R74 R81 R83 R84 R86 R89 R91 R98 R113 R145 R148 R155 R178 R179 R184 R196: library part CMP-0025958-3, "RES, 10.0 k, 1%, 0.063 W, AEC-Q200 Grade 0, 0402"
R34 R115 R118: library part CMP-0016044-3, "RES, 0, 5%, 0.75 W, AEC-Q200 Grade 0, 2010"
R38: library part CMP-0026395-2, "RES, 47.5 k, 1%, 0.063 W, AEC-Q200 Grade 0, 0402"
R39 R40 R42 R44 R45: library part CMP-0027275-3, "RES, 33.2, 1%, 0.05 W, 0201"
R68 R77 R79 R80 R154: library part CMP-0026993-2, "RES, 100, 5%, 0.1 W, AEC-Q200 Grade 0, 0402"
R82: library part CMP-0025993-3, "RES, 12.7 k, 1%, 0.063 W, AEC-Q200 Grade 0, 0402"
R85 R87: library part CMP-0026491-2, "RES, 61.9, 1%, 0.063 W, AEC-Q200 Grade 0, 0402"